# Altium PCB MU2_M.PcbDoc (part 2 of 2) (continued)
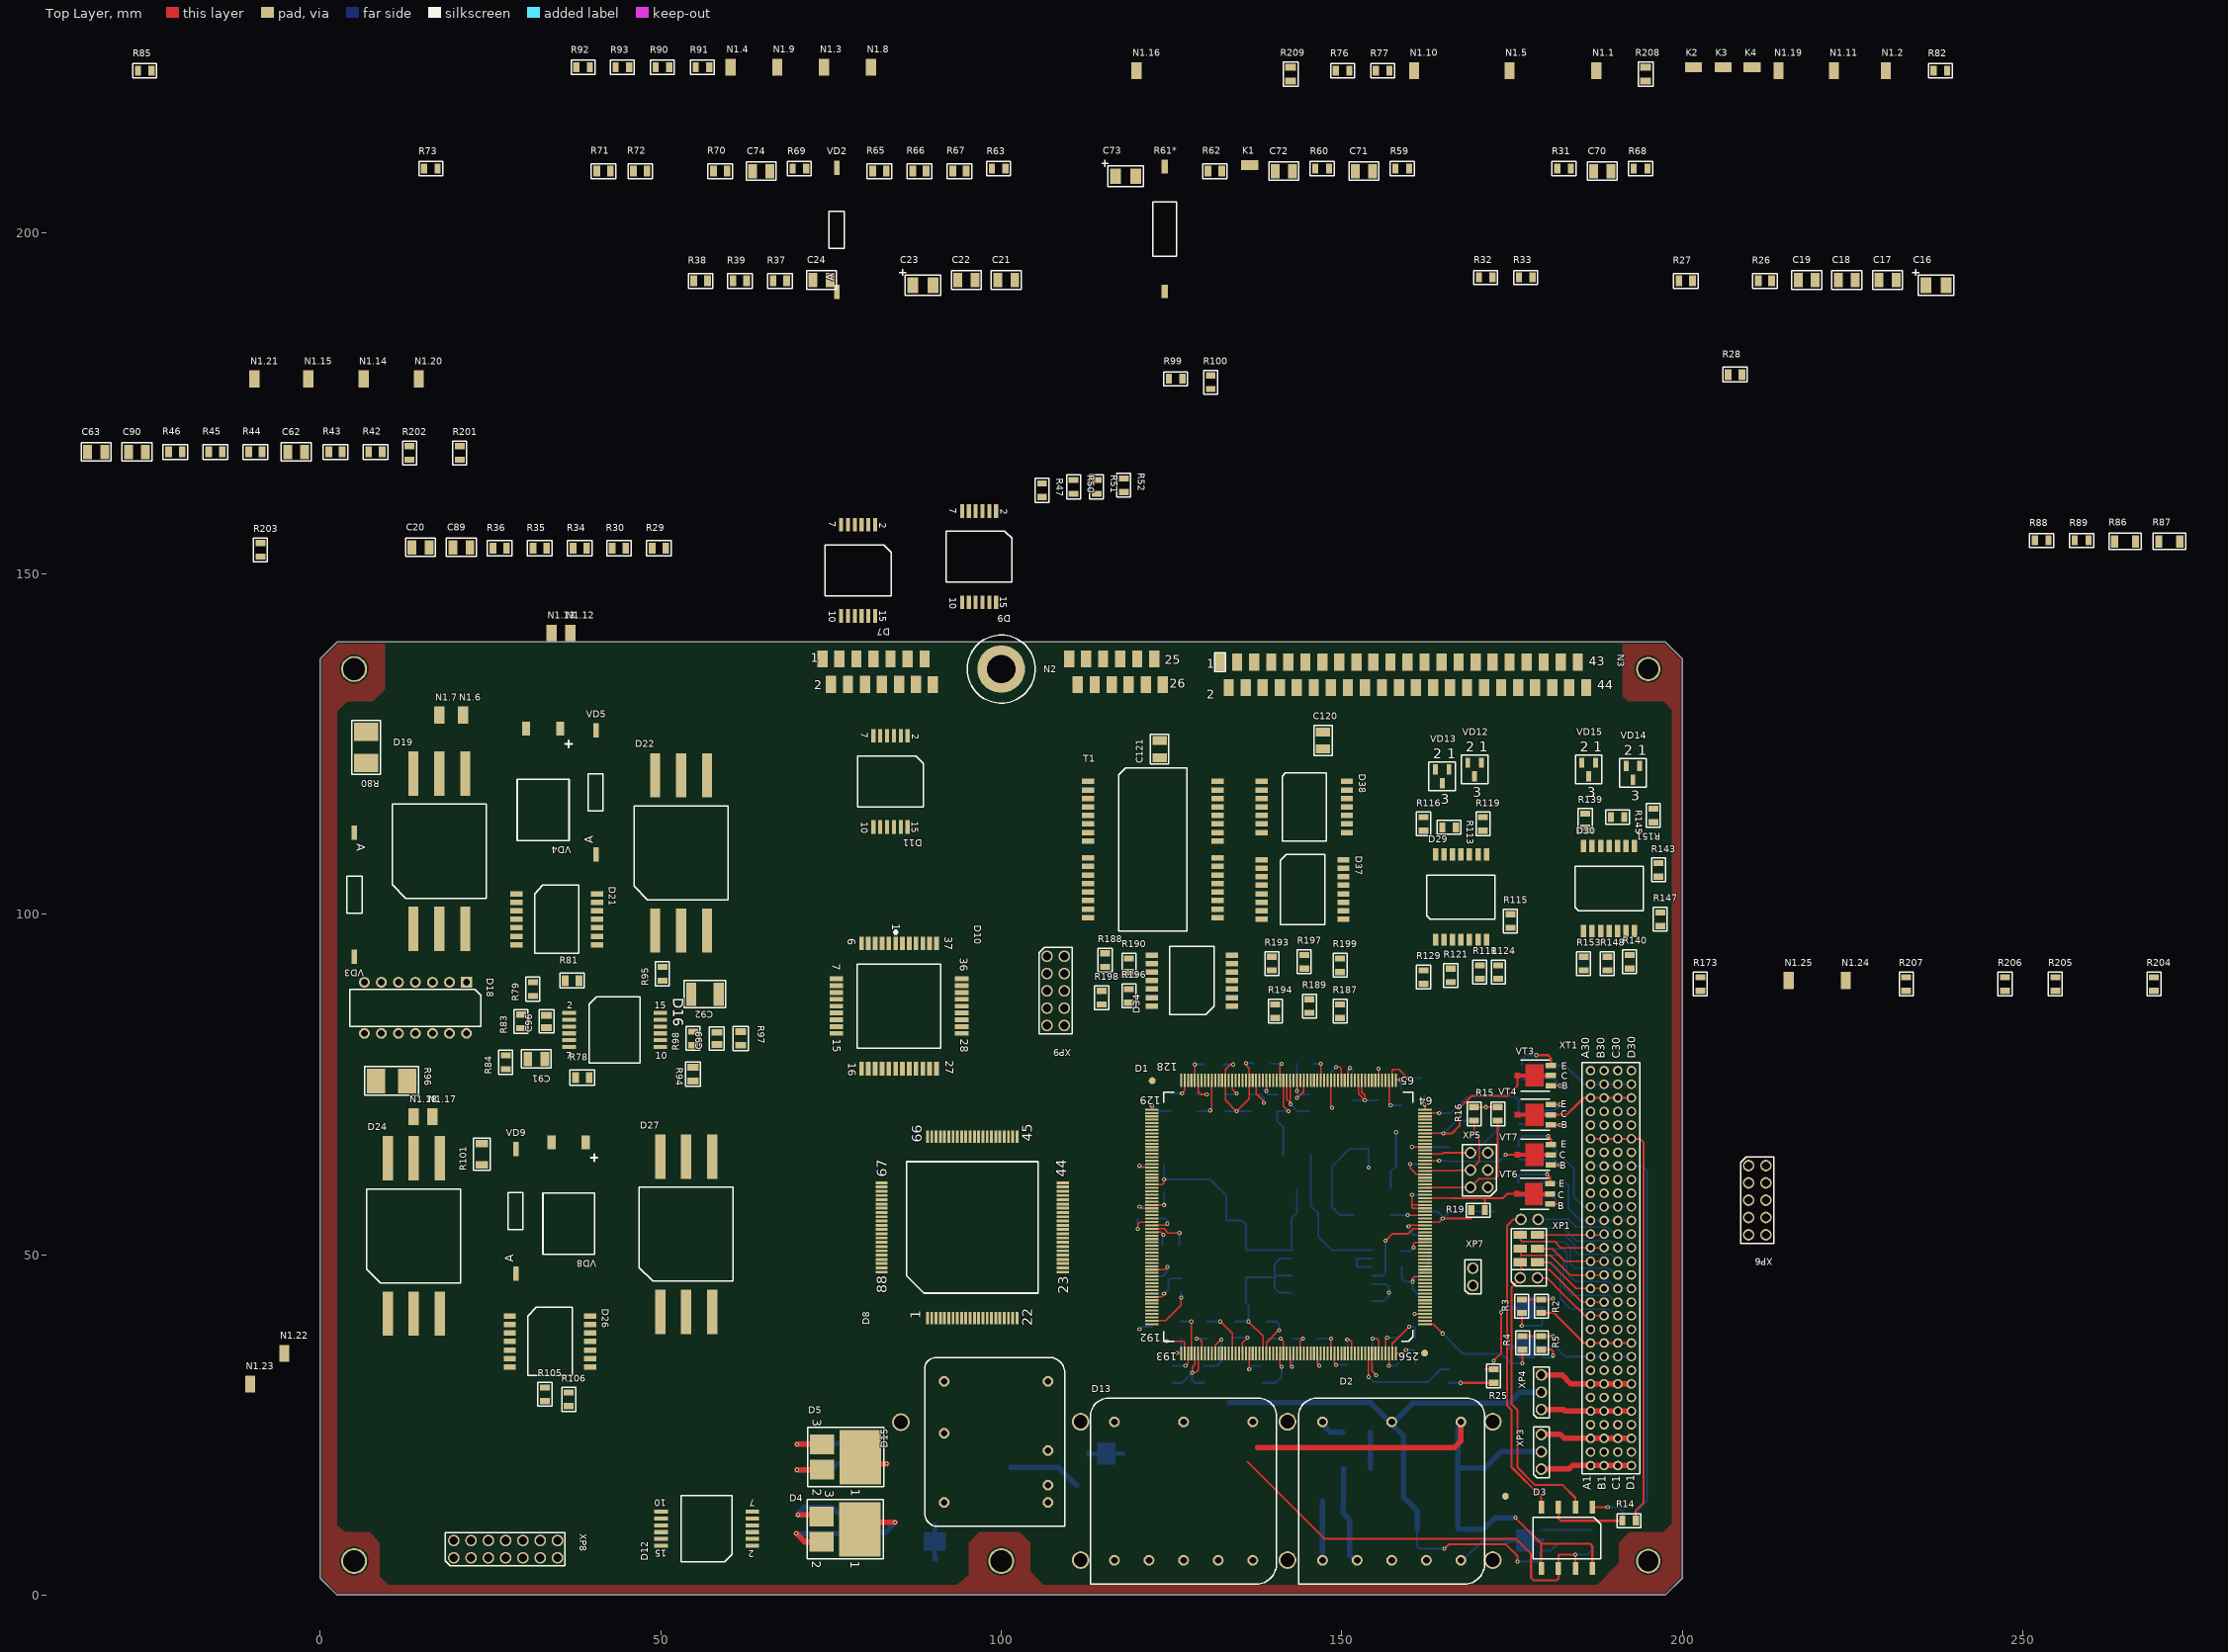
[diagram p0: Top Layer view]
## Nets (pads, with @x,y where several pads share a name; then routed paths per layer and width w, separated by ;. In a path a pad name is that pad's centre, name@x,y a point inside that pad or via, vN(x,y) a via of type N, cw(c..) or ccw(c..) an arc to the next point about the centre after c; other vN are vias at no path point) (continued)
  Top Layer w0.3: 157.425,37.05 157.55,37.05 v1(159.925,39.425) ; D1.256@157.925,35.5 158.925,35.5 v1(159.425,36) ; v1(160.425,46.05) 160.425,46.55 ; v1(162.175,72.05) 162.225,72 D1.64@162.225,71.3 ; v1(176.425,39.55) R3.1@176.425,41.425 ; v1(178.55,79.3) 180.3,79.3 180.705,78.895 VT3.E@180.705,77.8 ; R5.2@179.3,36.05 180.8,36.05 181.05,35.8 v1(181.05,35.175) ; v1(180.175,61.8) 180.58,61.395 VT6.E@180.58,60.425 ; v1(180.3,67.425) 180.705,67.02 VT7.E@180.705,66.175 ; VT4.E@180.705,72.05 v1(182.05,72.05)
  Top Layer w0.5: D4.3@73.35,11.8 D4.3@73.625,11.525 ; D5.3@73.625,22.05 D5.3@73.7,22.125
  Top Layer w0.8: v1(70.025,22.15) 73.525,22.15 D5.3@73.625,22.05 ; v1(70.175,11.8) D4.3@73.35,11.8
  Bottom Layer w0.2: C45.1@148.425,72.675 148.425,71.55 148.55,71.425 v1(148.55,71.55)
  Bottom Layer w0.3: v1(120.05,53.8) C33.1@120.05,55.3 ; v1(120.3,63.05) C49.1@121.425,63.05 ; C51.1@122.05,46.8 123.675,46.8 124.425,47.55 v1(124.425,48.175) ; v1(122.125,71.85) 122.175,71.9 123.025,71.05 124.8,71.05 C58.1@124.925,71.175 ; v1(123.925,57.3) C50.1@123.925,59.175 ; C60.1@125.175,31.175 126.55,31.175 v1(128.05,32.675) 128.05,31.55 128.425,31.175 C36.1@129.8,31.175 ; C34.1@126.175,51.425 v1(126.175,53.175) ; C59.1@126.425,40.175 v1(127.925,40.175) ; C32.1@128.8,71.05 130.55,71.05 v1(130.675,71.175) ; C35.1@130.3,40.175 v1(132.175,40.175) ; C48.1@132.675,77.925 v1(134.05,77.925) ; C31.1@132.8,71.05 v1(134.55,71.05) C30.1@136.675,71.05 ; C37.1@134.425,40.175 v1(136.3,40.175) 136.3,42.55 135.925,42.925 135.925,46.675 140.175,46.675 ; v1(135.926,78.099) 135.926,78.176 136.923,78.176 C46.1@137.049,78.05 ; C52.1@138.425,31.175 140.3,31.175 141.175,32.05 v1(141.175,33.55) ; C38.1@139.05,40.175 140.425,40.175 140.8,39.8 v1(140.8,38.925) ; C14.1@141.425,64.675 141.425,68.675 140.55,69.55 C47.1@140.55,71.05 v1(142.175,71.05) ; v1(142.487,72.112) 143.55,71.05 C28.1@145.175,71.05 ; D6.9@142.65,44.425 140.8,44.425 140.175,45.05 140.175,46.675 ; D6.11@142.65,46.925 140.175,46.925 ; D6.13@142.65,49.425 140.925,49.425 140.175,48.675 140.175,46.925 ; C53.1@142.8,37.675 v1(144.3,37.675) ; C29.1@145.925,78.05 146.8,78.05 146.925,77.925 v1(146.925,78.05) ; C54.1@146.425,37.675 v1(148.425,37.675) ; v1(149.176,33.8) C39.1@150.8,33.8 ; C27.1@151.675,72.675 C26.1@155.3,72.675 ; D6.7@154.45,43.175 156.175,43.175 156.925,43.925 v1(156.925,44.425) 156.925,45.3 156.55,45.675 D6.5@154.45,45.675 ; C40.1@154.55,33.8 154.55,32.8 v1(155.05,32.3) ; G1.2@157.175,59.8 157.175,62.175 157.975,62.975 C15.1@157.975,65.55 v1(157.975,67.975) v1@158.077,67.975 ; C42.1@158.8,48.175 158.8,46.55 159.3,46.05 v1(160.425,46.05) ; v1(159.425,36) 160.475,36 160.8,35.675 C55.1@160.8,34.05 ; v1(159.925,39.425) 160.55,39.425 160.8,39.175 C61.1@160.8,37.8 ; v1(160.05,63.3) C44.1@162.3,63.3 ; v1(160.3,58.8) C43.1@162.8,58.8 ; v1(162.175,72.05) C56.1@162.175,73.3 ; C25.1@162.8,50.425 162.8,48.425 v1(160.425,46.05) ; C41.1@162.925,43.8 161.55,43.8 160.425,44.925 v1(160.425,46.05) ; R21.1@175.925,60.55 175.925,61.55 176.175,61.8 v1(180.175,61.8) ; R24.1@175.925,65.925 175.925,66.8 176.55,67.425 v1(180.3,67.425) ; v1(176.425,39.55) 179.175,39.55 179.455,39.83 VT1.E@179.455,40.675 ; R8.1@176.425,77.8 176.425,78.675 177.05,79.3 v1(178.55,79.3) ; R10.2@179.05,71.175 181.175,71.175 v1(182.05,72.05) ; VT2.E@179.455,34.925 180.8,34.925 v1(181.05,35.175) ; 140.175,46.675 140.175,46.925
  Bottom Layer w0.75: v1(70.025,22.15) 70.15,22.275 C10.minus@77.4,22.275 C12.minus@81.275,22.275 C12.minus@81.3,22.3 ; v1(70.175,11.8) 70.175,12.05 71.025,12.9 75.15,12.9 76.025,12.025 77.65,12.025 C9.minus@81.15,12.025
  Bottom Layer w0.8: C5.2@150.25,18.55 150.25,13.875 C3.minus@150.175,13.8 150.175,12.05 151.175,11.05 C4.1@151.175,9.05 151.175,5.88 152.097,4.958 D2.2@152.255,4.8
INH_ON: D3.6 D3.7 R12.1 R40.2 R75.1 | length 66.5
  Top Layer w0.3: 136.175,19.55 147.425,8.3 175.55,8.3 177.8,6.05 177.8,2.55 178.175,2.175 181.55,2.175 181.8,2.425 D3.6@181.8,3.925 181.8,5.8 181.925,5.925 v1(184.3,5.925) D3.7@184.3,3.925
  Bottom Layer w0.3: v1(184.3,5.925) 186.05,5.925 186.675,6.55 R12.1@186.675,7.55
IZ12: D1.73 D17.11 R77.1
IZ34: D1.74 D17.4 R93.1
M12V: C69.1 C91.1 C94.2 C124.minus D15.6 D16.6 D18.12
M27V: D22.4 D23.4 D27.4 D28.4 N1.5.1 N1.10.1 N1.16.1 N2.16 N2.17 N2.19 N2.21 N2.23 N2.25
MISO: D1.244 D8.23
MOSI: D1.242 D8.21
NetC5_1: C5.1 C6.2 | length 5.4
  Bottom Layer w0.3: C5.1@154.225,18.675 C5.1@154.35,18.55
  Bottom Layer w0.8: C5.1@154.225,18.675 C6.2@154.225,23.925
NetC14_2: C14.2 D6.1 R18.1 VD1.Plus | length 21.2
  Bottom Layer w0.3: C14.2@145.425,64.675 145.425,57.175 146.55,56.05 VD1.Plus@146.55,55.05 146.55,52.675 148.55,50.675 D6.1@154.45,50.675
NetC18_1: C18.1 D7.12 R26.1 R27.2 R29.2
NetC18_2: C18.2 D7.13 R26.2 R28.2
NetC19_1: C19.1 D7.4 N2.7 N2.8 R30.1
NetC19_2: C19.2 D7.3 N2.13
NetC21_1: C21.1 D9.12 R37.1 R38.2 R42.2
NetC21_2: C21.2 D9.13 R37.2 R39.2
NetC24_1: C24.1 D9.4 N2.4 N2.5 R43.1
NetC24_2: C24.2 D9.3 N2.2
NetC64_1: C64.1 D11.12 R48.1 R49.2 R54.2
NetC64_2: C64.2 D11.13 R48.2 R53.2
NetC66_1: C66.1 D11.4 N2.9 N2.10 R55.1
NetC66_2: C66.2 D11.3 N2.11
NetC71_1: C71.1 D12.4 R61*.2 R62.1
NetC71_2: C71.2 D12.3 R62.2 R65.2 R70.2
NetC95_2: C95.2 D18.4 R79.2
NetC96_1: C96.1 D16.4 R81.2 R83.1
NetC96_2: C96.2 D16.3 R79.1 R83.2
NetC97_2: C97.2 R82.1 R208.2 VD3.C
NetC98_2: C98.2 D18.6 R95.2
NetC99_1: C99.1 D16.12 R97.2 R98.1
NetC99_2: C99.2 D16.13 R95.1 R98.2
NetC102_2: C102.2 R115.2 R116.1
NetC106_2: C106.2 R131.2 R132.1
NetC110_2: C110.2 R147.2 R148.1
NetC114_2: C114.2 R163.2 R164.1
NetD1_65: D1.65 XP6.1
NetD1_68: D1.68 XP6.3
NetD1_125: D1.125 XP6.5
NetD1_126: D1.126 R173.2 | length 0.9
  Top Layer w0.2: D1.126@127.425,75.6 127.425,74.816 D1.126@127.472,74.769
NetD1_191: D1.191 R170.1 | length 7.2
  Top Layer w0.2: D1.191@122.125,40.3 124.175,40.3 126.425,42.55 v1(126.426,43.675) v1(126.426,43.675)
  Bottom Layer w0.3: R170.1@126.425,44.55 v1(126.426,43.675) v1(126.426,43.675)
NetD1_194: D1.194 R171.1 | length 6.6
  Top Layer w0.2: v1(124.3,37.3) 126.925,37.3 D1.194@126.925,35.5
  Bottom Layer w0.2: R171.1@122.175,37.425 122.3,37.3 v1(124.3,37.3)
NetD1_248: D1.248 R172.1 | length 16.4
  Top Layer w0.2: v1(153.925,32.05) D1.248@153.925,35.5
  Bottom Layer w0.3: v1(153.925,32.05) 154.675,31.3 162.675,31.3 164.55,33.175 R172.1@165.8,33.175
NetD1_252: D1.252 XP6.9
NetD2_5: D2.5 VT5.C | length 13.2
  Bottom Layer w0.3: D2.5@167.495,4.8 167.652,4.957 170.745,8.05 VT5.C@179.33,8.05
NetD3_1: D3.1 R13.1 | length 6.4
  Top Layer w0.3: D3.1@186.8,12.925 v1(189.05,12.925)
  Bottom Layer w0.3: v1(189.05,12.925) 190.55,12.925 191.175,12.3 R13.1@191.175,10.55
NetD3_2: D3.2 XP1.1 | length 40.5
  Top Layer w0.3: XP1.1@176.2,46.6 176.3,46.55 174.925,45.175 174.925,28.05 175.8,27.175 175.8,18.774 178.399,16.175 182.425,16.175 184.3,14.3 D3.2@184.3,12.925
NetD3_3: D3.3 R14.1 | length 11.2
  Top Layer w0.3: D3.3@181.8,12.925 181.8,11.3 182.175,10.925 R14.1@191.175,10.925
NetD3_4: D3.4 XP2.1 | length 45.8
  Top Layer w0.3: XP2.1@176.3,55.175 175.175,55.175 174.3,54.3 174.3,27.8 174.925,27.175 174.925,18.8 179.3,14.425 D3.4@179.3,12.925
NetD6_2: D6.2 D6.3 | length 5.7
  Bottom Layer w0.3: D6.3@154.45,48.175 152.3,48.175 152.175,48.3 152.175,49.3 152.3,49.425 D6.2@154.45,49.425
NetD7_11: D7.11 R34.2 R36.1
NetD8_1: D8.1 R68.2
NetD8_4: D8.4 R31.1
NetD8_10: D8.10 R65.1 R66.2
NetD8_28: D8.28 R73.2
NetD8_38: D8.38 R69.1
NetD8_43: D8.43 R63.1
NetD9_11: D9.11 R44.2 R46.1
NetD10_5: D10.5 R52.2 XP9.5
NetD10_32: D10.32 R50.2 XP9.9
NetD10_38: D10.38 R51.2 XP9.7
NetD10_39: D10.39 R47.2
NetD10_41: D10.41 R203.2
NetD11_11: D11.11 R56.2 R58.1
NetD12_5: D12.5 R70.1 VD2.C
NetD12_12: D12.12 R71.1 R72.2
NetD13_5: D13.5 VT9.C
NetD15_7: D15.7 VT8.C
NetD16_5: D16.5 R78.2
NetD16_11: D16.11 R94.2
NetD17_2: D17.2 R76.1
NetD17_3: D17.3 D18.2
NetD17_9: D17.9 R92.1
NetD17_10: D17.10 D18.1
NetD19_2: D19.2 R84.2
NetD19_5: D19.5 N1.6.1 N1.7.1 R86.2 VD4.minus
NetD19_6: D19.6 D20.6 R80.1 R81.1
NetD20_2: D20.2 R85.2
NetD20_5: D20.5 N1.12.1 N1.13.1 R87.2 VD6.minus
NetD21_2: D21.2 VD5.A
NetD21_3: D21.3 D22.5 N1.3.1 N1.4.1 VD4.plus
NetD21_9: D21.9 VD7.A
NetD21_10: D21.10 D23.5 N1.8.1 N1.9.1 VD6.plus
NetD22_2: D22.2 R90.2
NetD23_2: D23.2 R91.2
NetD24_2: D24.2 R99.2
NetD24_5: D24.5 N1.17.1 N1.18.1 R101.2 VD8.minus
NetD24_6: D24.6 D25.6 R96.1 R97.1
NetD25_2: D25.2 R100.2
NetD25_5: D25.5 N1.22.1 N1.23.1 R102.2 VD10.minus
NetD26_2: D26.2 VD9.A
NetD26_3: D26.3 D27.5 N1.14.1 N1.15.1 VD8.plus
NetD26_9: D26.9 VD11.A
NetD26_10: D26.10 D28.5 N1.20.1 N1.21.1 VD10.plus
NetD27_2: D27.2 R105.2
NetD28_2: D28.2 R106.2
NetD29_2: D29.2 R111.1 R116.2 VD12.3
NetD29_3: D29.3 D29.13 R121.2
NetD29_5: D29.5 R127.1 R132.2 VD13.3
NetD29_6: D29.6 D29.10 R137.2
NetD29_9: D29.9 R129.2 R135.2
NetD29_11: D29.11 R123.1 R129.1
NetD29_12: D29.12 R113.2 R119.2
NetD29_14: D29.14 R107.1 R113.1
NetD30_2: D30.2 R143.1 R148.2 VD14.3
NetD30_3: D30.3 D30.13 R153.2
NetD30_5: D30.5 R159.1 R164.2 VD15.3
NetD30_6: D30.6 D30.10 R169.2
NetD30_9: D30.9 R161.2 R167.2
NetD30_11: D30.11 R155.1 R161.1
NetD30_12: D30.12 R145.2 R151.2
NetD30_14: D30.14 R139.1 R145.1
NetD34_3: D34.3 R196.2
NetD34_10: D34.10 R194.2
NetD35_1: D35.1 D35.2 T1.32
NetD35_3: D35.3 D35.4 T1.28
NetD35_5: D35.5 D35.6 T1.24
NetD35_12: D35.12 D35.14 D35.16 R192.1 T1.1 T1.5 T1.9
NetD36_2: D36.2 T1.2
NetD36_3: D36.3 N2.18 T1.27
NetD36_4: D36.4 R198.1
NetD36_5: D36.5 T1.10
NetD36_10: D36.10 N2.15 T1.23
NetD36_11: D36.11 R200.1
NetD36_12: D36.12 T1.6
NetD36_13: D36.13 N2.20 T1.31
NetD36_14: D36.14 R195.1
NetD37_1: D37.1 D37.2 T2.32
NetD37_3: D37.3 D37.4 T2.28
NetD37_5: D37.5 D37.6 T2.24
NetD37_12: D37.12 D37.14 D37.16 R191.1 T2.1 T2.5 T2.9
NetD38_2: D38.2 T2.2
NetD38_3: D38.3 N2.24 T2.27
NetD38_4: D38.4 R197.1
NetD38_5: D38.5 T2.10
NetD38_10: D38.10 N2.22 T2.23
NetD38_11: D38.11 R199.1
NetD38_12: D38.12 T2.6
NetD38_13: D38.13 N2.26 T2.31
NetD38_14: D38.14 R193.1
NetN1.24_1: N1.24.1 R207.1
NetN2_3: N2.3 R44.1
NetN2_6: N2.6 R205.1
NetN2_12: N2.12 R56.1
NetN2_14: N2.14 R34.1
NetN3_1: N3.1 N3.2 R115.1
NetN3_5: N3.5 N3.6 R163.1
NetN3_9: N3.9 N3.10 R147.1
NetN3_13: N3.13 N3.14 R131.1
NetN3_42: N3.42 R206.1
NetN3_44: N3.44 R204.1
NetR2_1: R2.1 XT1.10 XT1.40 XT1.70 XT1.100 | length 15
  Top Layer w0.3: R2.1@179.3,41.425 181.175,41.425 183.325,39.275 185.575,37.025 XT1.10@186.525,37.025 XT1.40@188.525,37.025 XT1.70@190.525,37.025 XT1.100@192.525,37.025
NetR2_2: R2.2 R3.2 VT1.B | length 6.3
  Top Layer w0.3: R3.2@176.425,43.425 R2.2@179.3,43.425 180.925,43.425 v1(181.05,43.55)
  Bottom Layer w0.3: VT1.B@179.455,43.675 180.925,43.675 v1(181.05,43.55)
NetR4_1: R4.1 R5.1 VT2.B | length 6.1
  Top Layer w0.3: R4.1@176.55,38.05 R5.1@179.3,38.05 v1(181.05,38.05)
  Bottom Layer w0.3: VT2.B@179.455,37.925 180.925,37.925 v1(181.05,38.05)
NetR7_1: R7.1 XT1.29 XT1.59 XT1.89 XT1.119 | length 14.4
  Bottom Layer w0.3: R7.1@179.225,77.8 182.8,77.8 184.95,75.65 185.575,75.025 XT1.29@186.525,75.025 XT1.59@188.525,75.025 XT1.89@190.525,75.025 XT1.119@192.525,75.025
NetR7_2: R7.2 R8.2 VT3.B | length 7.4
  Top Layer w0.2: VT3.B@180.705,74.8 v1(182.05,74.8)
  Bottom Layer w0.2: R7.2@179.225,75.8 181.05,75.8 v1(182.05,74.8)
  Bottom Layer w0.3: R8.2@176.425,75.8 R7.2@179.225,75.8
NetR9_1: R9.1 R10.1 VT4.B | length 7.7
  Top Layer w0.3: VT4.B@180.705,69.05 180.83,69.175 180.955,69.05 v1(182.05,69.05)
  Bottom Layer w0.3: R9.1@175.925,69.05 175.962,69.087 176.05,69.175 R10.1@179.05,69.175 181.925,69.175 v1(182.05,69.05)
NetR11_2: R11.2 R12.2 VT5.B | length 7.3
  Bottom Layer w0.3: VT5.B@179.33,9.55 R11.2@183.55,9.55 R12.2@186.675,9.55
NetR20_1: R20.1 XT1.19 XT1.49 XT1.79 XT1.109 | length 17.7
  Bottom Layer w0.3: R20.1@179.05,60.55 182.8,60.55 183.3,60.05 183.3,56.8 185.075,55.025 XT1.19@186.525,55.025 XT1.49@188.525,55.025 XT1.79@190.525,55.025 XT1.109@192.525,55.025
NetR20_2: R20.2 R21.2 VT6.B | length 8.1
  Top Layer w0.3: VT6.B@180.58,57.425 v1(182.05,57.425)
  Bottom Layer w0.3: R21.2@175.925,58.55 R20.2@179.05,58.55 180.925,58.55 v1(182.05,57.425)
NetR23_1: R23.1 XT1.20 XT1.50 XT1.80 XT1.110 | length 19.6
  Bottom Layer w0.3: R23.1@179.05,65.925 180.8,65.925 184.05,62.675 184.05,58.55 185.575,57.025 XT1.20@186.525,57.025 XT1.50@188.525,57.025 XT1.80@190.525,57.025 XT1.110@192.525,57.025
NetR23_2: R23.2 R24.2 VT7.B | length 7.8
  Top Layer w0.3: VT7.B@180.705,63.175 v1(182.05,63.175)
  Bottom Layer w0.3: R24.2@175.925,63.925 R23.2@179.05,63.925 181.3,63.925 v1(182.05,63.175)
NetR40_1: R40.1 R41.2 VT8.B
NetR74_1: R74.1 R75.2 VT9.B
NetR86_1: R86.1 VD5.C
NetR87_1: R87.1 VD7.C
NetR101_1: R101.1 VD9.C
NetR102_1: R102.1 VD11.C
NetR189_1: R189.1 R193.2 R194.1 R197.2 R199.2
NetR190_1: R190.1 R195.2 R196.1 R198.2 R200.2
NetVT2_C: VT2.C XT1.9 XT1.39 XT1.69 XT1.99 | length 13.6
  Bottom Layer w0.3: VT2.C@179.455,36.425 181.425,36.425 182.825,35.025 XT1.9@186.525,35.025 XT1.39@188.525,35.025 XT1.69@190.525,35.025 XT1.99@192.525,35.025
NetVT4_C: VT4.C XT1.28 XT1.58 XT1.88 XT1.118 | length 12.8
  Top Layer w0.3: VT4.C@180.705,70.55 183.05,70.55 184.587,72.087 185.525,73.025 XT1.28@186.525,73.025 XT1.58@188.525,73.025 XT1.88@190.525,73.025 XT1.118@192.525,73.025
NetXP1_2: XP1.2 XT1.12 XT1.42 | length 12.1
  Top Layer w0.2: XP1.2@178.74,46.6 178.84,46.55 180.175,46.55 182.175,44.55 183.275,43.45 185.7,41.025 XT1.12@186.525,41.025 XT1.42@188.525,41.025
NetXP1_3: XP1.3 XT1.13 XT1.43 | length 15.1
  Top Layer w0.2: XP1.3@176.2,48.9 176.3,48.85 176.3,48.175 176.675,47.8 180.5,47.8 182.675,45.625 185.275,43.025 XT1.13@186.525,43.025 XT1.43@188.525,43.025
NetXP1_4: XP1.4 XT1.14 XT1.44 | length 11.4
  Top Layer w0.254: XP1.4@178.75,48.9 178.75,48.85 180.55,48.85 184.375,45.025 XT1.14@186.525,45.025 XT1.44@188.525,45.025
NetXP1_5: XP1.5 XT1.15 XT1.45 | length 14.5
  Top Layer w0.2: XP1.5@176.2,50.9 176.3,50.85 176.3,49.9 180.625,49.9 181.375,49.15 183.5,47.025 XT1.15@186.525,47.025 XT1.45@188.525,47.025
NetXP1_6: XP1.6 XT1.16 XT1.46 | length 10.5
  Top Layer w0.2: XP1.6@178.75,50.9 178.85,50.85 180.925,50.85 182.75,49.025 XT1.16@186.525,49.025 XT1.46@188.525,49.025
NetXP1_7: XP1.7 XT1.17 XT1.47 | length 13.5
  Top Layer w0.2: XP1.7@176.2,52.9 176.2,52.225 176.525,51.9 181.275,51.9 182.15,51.025 XT1.17@186.525,51.025 XT1.47@188.525,51.025
NetXP1_8: XP1.8 XT1.18 XT1.48 | length 9.8
  Top Layer w0.2: XP1.8@178.75,52.9 188.4,52.9 XT1.48@188.525,53.025
NetXP2_2: XP2.2 XT1.78 XT1.108 | length 14.6
  Bottom Layer w0.2: XP2.2@178.84,55.175 183.275,55.175 184.425,54.025 189.081,54.025 190.081,53.025 XT1.78@190.525,53.025 XT1.108@192.525,53.025
NetXP2_3: XP2.3 XT1.77 XT1.107 | length 18.2
  Bottom Layer w0.2: XP2.3@176.3,52.875 176.3,53.55 176.625,53.875 182.6,53.875 184.45,52.025 189.4,52.025 190.4,51.025 XT1.77@190.525,51.025 XT1.107@192.525,51.025
NetXP2_4: XP2.4 XT1.76 XT1.106 | length 15.7
  Bottom Layer w0.2: XP2.4@178.85,52.875 182.75,52.875 184.175,51.45 184.175,50.65 184.8,50.025 189.525,50.025 XT1.76@190.525,49.025 XT1.106@192.525,49.025
NetXP2_5: XP2.5 XT1.75 XT1.105 | length 20.5
  Bottom Layer w0.2: XP2.5@176.3,50.875 176.3,51.675 176.5,51.875 182.725,51.875 183.55,51.05 183.55,48.675 184.2,48.025 189.275,48.025 190.275,47.025 XT1.75@190.525,47.025 XT1.105@192.525,47.025
NetXP2_6: XP2.6 XT1.74 XT1.104 | length 17.9
  Bottom Layer w0.2: XP2.6@178.85,50.875 182.475,50.875 183.05,50.3 183.05,47.275 184.3,46.025 188.939,46.025 189.275,46.025 190.275,45.025 XT1.74@190.525,45.025 XT1.104@192.525,45.025
NetXP2_7: XP2.7 XT1.73 XT1.103 | length 22.3
  Bottom Layer w0.2: XP2.7@176.3,48.875 176.3,49.675 176.5,49.875 181.975,49.875 182.55,49.3 182.55,45.3 183.825,44.025 188.939,44.025 189.275,44.025 190.275,43.025 XT1.73@190.525,43.025 XT1.103@192.525,43.025
NetXP2_8: XP2.8 XT1.72 XT1.102 | length 19.3
  Bottom Layer w0.2: XP2.8@178.85,48.875 180.775,48.875 182.05,47.6 182.05,43.6 183.625,42.025 189.275,42.025 190.275,41.025 XT1.72@190.525,41.025 XT1.102@192.525,41.025
NetXP3_1: XP3.1 XT1.1 XT1.31 XT1.61 XT1.91 | length 13.4
  Top Layer w0.8: XP3.1@179.3,18.51 183.36,18.51 183.875,19.025 XT1.1@186.525,19.025 XT1.31@188.525,19.025 XT1.61@190.525,19.025 XT1.91@192.525,19.025
NetXP3_3: XP3.3 XT1.3 XT1.33 XT1.63 XT1.93 | length 13.5
  Top Layer w0.8: XP3.3@179.3,23.59 182.11,23.59 182.675,23.025 XT1.3@186.525,23.025 XT1.33@188.525,23.025 XT1.63@190.525,23.025 XT1.93@192.525,23.025
NetXP4_1: XP4.1 XT1.5 XT1.35 XT1.65 XT1.95 | length 13.3
  Top Layer w0.8: XP4.1@179.3,27.26 182.54,27.26 182.775,27.025 XT1.5@186.525,27.025 XT1.35@188.525,27.025 XT1.65@190.525,27.025 XT1.95@192.525,27.025
NetXP4_3: XP4.3 XT1.7 XT1.37 XT1.67 XT1.97 | length 13.8
  Top Layer w0.8: XP4.3@179.3,32.34 182.335,32.34 183.65,31.025 XT1.7@186.525,31.025 XT1.37@188.525,31.025 XT1.67@190.525,31.025 XT1.97@192.525,31.025
OFFSET: D12.13 R29.1 R42.1 R54.1 R72.1
P12V: C68.2 C92.2 C93.1 C123.plus D15.3 D16.14 D18.3 R76.2 R82.2 R92.2
P27V: C68.1 C69.2 C91.2 C92.1 C93.2 C94.1 C95.1 C97.1 C98.1 C123.minus C124.plus D15.4 D34.2 D34.9 N1.2.1 N1.11.1 N1.19.1 R78.1 R80.2 R94.1 R96.2 R189.2 R190.2 R209.1 VD3.A
POROG: D18.5 D18.7 R208.1 R209.2
RESET: D1.29 D6.4 | length 13.4
  Top Layer w0.2: 160.425,53.8 D1.29@162.225,53.8
  Top Layer w0.3: v1(156.425,52.05) 157.425,53.05 159.736,53.05 160.436,53.75
  Bottom Layer w0.3: D6.4@154.45,46.925 156.05,46.925 156.425,47.3 v1(156.425,52.05)
RX1: D1.3 R1.2 VT1.C | length 15.3
  Top Layer w0.3: v1(172.3,34.425) 173.425,35.55 v1(173.425,41.55)
  Bottom Layer w0.2: v1@173.365,41.49 v1(173.425,41.55)
  Bottom Layer w0.3: R1.2@172.3,33.175 v1(172.3,34.425) ; v1(173.425,41.55) 173.425,41.675 173.925,42.175 VT1.C@179.455,42.175
RX2: D1.7 R6.2 VT3.C | length 0
  Top Layer w0.2: D1.7@162.225,42.8 D1.7@162.245,42.78
SCK: D1.245 D8.24
SENS1: D1.26 D29.4 R108.1 R111.2
SENS2: D1.27 D29.7 R124.1 R127.2
SENS3: D1.28 D30.4 R140.1 R143.2
SENS4: D1.38 D30.7 R156.1 R159.2
TICK: D1.240 D8.37
TS1: D8.80 R28.1 R35.2
TS2: D8.82 R39.1 R45.2
TS3: D8.6 R53.1 R57.2
TST1: D1.234 D8.29
TST2: D1.235 D8.31
TST3: D1.236 D8.32
TST4: D1.239 D8.36
TSTI1: D1.46 D35.15
TSTI2: D1.47 D35.13
TSTI3: D1.48 D35.11
TSTI4: D1.49 D37.15
TSTI5: D1.50 D37.13
TSTI6: D1.51 D37.11
TSTO1: D1.52 D34.11 R188.1
TSTO2: D1.54 D34.4 R187.1
TX1: D1.1 R4.2 | length 18.7
  Top Layer w0.2: D1.1@162.225,39.8 163.425,39.8 v1(164.8,38.425)
  Top Layer w0.3: v1(176.55,34.05) R4.2@176.55,36.05
  Bottom Layer w0.3: v1(164.8,38.425) 167.8,35.425 173.425,35.425 174.8,34.05 v1(176.55,34.05)
TX2: D1.5 R9.2
UPR1: D1.17 R25.1 XP7.2 | length 1.3
  Top Layer w0.3: 171.05,33.175 R25.1@172.3,33.175
VREF: D7.5 D8.13 D9.5 D11.5 D12.11 K1.1 R66.1 R67.1
pads on no net: D1.0 D1.2 D1.6 D1.8 D1.9 D1.10 D1.11 D1.12 D1.13 D1.14 D1.16 D1.18 D1.19 D1.20 D1.21 D1.22 D1.32 D1.34 D1.37 D1.39 D1.40 D1.41 D1.42 D1.43 D1.44 D1.77 D1.78 D1.80 D1.82 D1.83 D1.85 D1.86 D1.88 D1.89 D1.90 D1.91 D1.93 D1.95 D1.100 D1.101 D1.102 D1.104 D1.105 D1.107 D1.109 D1.110 D1.111 D1.112 D1.114 D1.116 D1.117 D1.122 D1.128 D1.130 D1.131 D1.132 D1.133 D1.134 D1.135 D1.136 D1.137 D1.138 D1.139 D1.140 D1.141 D1.142 D1.143 D1.144 D1.145 D1.147 D1.148 D1.149 D1.150 D1.152 D1.153 D1.154 D1.155 D1.156 D1.159 D1.160 D1.161 D1.166 D1.167 D1.168 D1.169 D1.170 D1.171 D1.172 D1.173 D1.174 D1.175 D1.177 D1.178 D1.179 D1.180 D1.181 D1.182 D1.183 D1.185 D1.186 D1.187 D1.188 D1.189 D1.190 D1.192 D1.200 D1.201 D1.202 D1.204 D1.205 D1.206 D1.207 D1.209 D1.210 D1.212 D1.214 D1.215 D1.216 D1.219 D1.220 D1.221 D1.224 D1.226 D1.227 D1.229 D1.230 D1.231 D1.232 D2.3 D2.4 D6.6 D6.8 D6.10 D6.12 D7.2 D7.7 D7.10 D7.15 D8.2 D8.5 D8.7 D8.9 D8.14 D8.16 D8.17 D8.19 D8.20 D8.22 D8.25 D8.30 D8.35 D8.39 D8.41 D8.42 D8.44 D8.54 D8.64 D8.70 D8.72 D8.73 D8.79 D8.81 D8.83 D8.84 D8.85 D8.87 D8.88 D9.2 D9.7 D9.10 D9.15 D10.17 D10.20 D10.26 D10.27 D11.2 D11.7 D11.10 D11.15 D12.2 D12.7 D12.10 D12.15 D13.4 D15.5 D16.2 D16.7 D16.10 D16.15 D17.1 D17.5 D17.7 D17.8 D17.12 D17.14 D18.8 D18.9 D18.10 D18.11 D18.13 D18.14 D19.3 D19.4 D20.3 D20.4 D21.1 D21.5 D21.7 D21.8 D21.12 D21.14 D22.1 D22.6 D23.1 D23.6 D24.3 D24.4 D25.3 D25.4 D26.1 D26.5 D26.7 D26.8 D26.12 D26.14 D27.1 D27.6 D28.1 D28.6 D29.1 D29.8 D30.1 D30.8 D34.1 D34.5 D34.7 D34.8 D34.12 D34.14 D35.7 D35.8 D35.9 D35.10 D36.1 D36.6 D36.7 D36.8 D36.9 D37.7 D37.8 D37.9 D37.10 D38.1 D38.6 D38.7 D38.8 D38.9 G1.1 N2.1 N3.17 N3.18 N3.19 N3.20 N3.21 N3.22 N3.23 N3.24 N3.25 N3.26 N3.27 N3.28 N3.29 N3.30 N3.31 N3.32 N3.33 N3.34 N3.35 N3.36 N3.37 N3.38 N3.39 N3.40 N3.41 T1.3 T1.4 T1.7 T1.8 T1.11 T1.12 T1.13 T1.14 T1.15 T1.16 T1.17 T1.18 T1.19 T1.20 T1.21 T1.22 T1.25 T1.26 T1.29 T1.30 T2.3 T2.4 T2.7 T2.8 T2.11 T2.12 T2.13 T2.14 T2.15 T2.16 T2.17 T2.18 T2.19 T2.20 T2.21 T2.22 T2.25 T2.26 T2.29 T2.30 XP6.6 XP6.7 XP6.8 XP8.3 XP8.4 XP8.9 XT1.2 XT1.4 XT1.6 XT1.8 XT1.11 XT1.22 XT1.24 XT1.26 XT1.32 XT1.34 XT1.36 XT1.38 XT1.41 XT1.52 XT1.54 XT1.56 XT1.62 XT1.64 XT1.66 XT1.68 XT1.71 XT1.82 XT1.84 XT1.86 XT1.92 XT1.94 XT1.96 XT1.98 XT1.101 XT1.112 XT1.114 XT1.116
copper on no net: | length 135.5
  Top Layer w0.2: 122.125,64.753 122.125,64.8 ; 162.225,45.3 162.245,45.32 ; 162.225,58.3 166,58.3 ; 162.225,59.8 162.275,59.85 168.905,59.85 168.905,59.885 170.155,61.135 172.51,61.135 172.925,61.55 ; 162.225,62.3 166.675,62.3 166.8,62.425 168.905,62.425 170.195,63.715 170.195,67.28 169.425,68.05 169.425,69.675 ; 162.225,63.8 v1(164.3,63.8) ; 162.225,64.8 164.8,64.8 164.965,64.965 ; 162.225,67.8 v1(164.925,67.8) ; 162.225,70.75 162.453,70.75 162.503,70.8 v1(164.3,70.8)
  Top Layer w0.3: 158,75.675 v1(158.675,75.675) ; v1(164.925,67.8) 166.175,67.8 167.275,68.9 167.275,71.525 169.05,73.3 174.3,73.3 175.775,74.775 175.775,76.3 180.705,76.3 ; 164.965,64.965 168.905,64.965 ; 166,58.275 171.025,58.275 ; 171.025,56.525 171.025,58.275 ; 172.925,61.55 172.925,69.55 ; v1(174.05,64.675) 180.705,64.675 ; 180.58,58.925 174.275,58.925 173.625,58.275 171.025,58.275
  Bottom Layer w0.2: 165.675,63.8 165.8,63.675 173.05,63.675 v1(174.05,64.675) ; 165.925,70.8 166.04,70.8 168.415,73.175 175.425,73.175
  Bottom Layer w0.3: 158.675,74.425 v1(158.675,75.675) ; v1(164.3,63.8) 165.675,63.8 ; v1(164.3,70.8) 165.925,70.8 ; v1(164.925,67.8) 166.8,69.675 169.55,69.675 ; 168.905,64.965 169.465,64.965 173.05,68.55 173.05,69.675 ; 175.425,73.175 175.925,72.675 175.925,71.05

## Polygon pours and split planes (outlines as drawn)
no net on Top Layer "Top Layer-No Net" (solid, pour order 2): 9.5,140 2.5,140 0,137.5 0,2.5 2.5,0 197.5,0 200,2.5 200,137.5 197.5,140 191.25,140 191.25,132 192,131.25 197.25,131.25 198.5,130 198.5,10.5 197.25,9.25 192.25,9.25 190.75,7.75 190.75,4.75 187.5,1.5 106.25,1.5 104.25,3.5 104.25,7.75 102.75,9.25 96.75,9.25 95.25,7.75 95.25,3 93.5,1.5 10,1.5 8.75,2.75 8.75,7.75 7.25,9.25 3.75,9.25 2.5,10.25 2.5,129.75 4,131.25 7.75,131.25 9.5,133
no net on Bottom Layer "Bottom Layer-No Net 1" (solid, pour order 4): 200,131.25 200,137.5 197.5,140 2.5,140 0,137.5 0,131.25
no net on Bottom Layer "Bottom Layer-No Net" (solid, pour order 6): 2.75,129.75 4.25,131.25 4.25,131.75 0,131.75 0,2.5 2.5,0 197.5,0 200,2.5 200,132 195.25,132 195.25,131.25 196.75,129.75 196.75,10.75 195.25,9.25 192.25,9.25 190.75,7.75 190.75,4.75 189.25,3.25 157.75,3.25 104.5,3.25 104.25,3.5 104.25,7.75 102.75,9.25 96.75,9.25 96.5,9 95.25,7.75 95.25,5 93.75,3.25 10.25,3.25 8.75,4.75 8.75,7.75 7.25,9.25 3.75,9.25 2.75,10 2.75,35.5
no net on gnd (split plane): 199.49,137.289 199.49,2.711 197.289,0.51 2.711,0.51 0.51,2.711 0.51,137.289 2.711,139.49 197.289,139.49
no net on PITANIE (split plane): 199.49,137.289 199.49,2.711 197.289,0.51 2.711,0.51 0.51,2.711 0.51,137.289 2.711,139.49 197.289,139.49

## Keep-outs
Keep-Out Layer, Board:
  the board outline again, w0.127

## Silkscreen, mask and mechanical layers (free items; w line width, h text height)
Top Overlay, Top Silk:
  circle w0.2: c100,136 r5
Bottom Solder, Bot Mask:
  region: 2.5,140 0,137.5 0,131 200,131 200,137.5 197.5,140
  region: 196.75,129.75 196.75,10.75 195.25,9.25 192.25,9.25 190.75,7.75 190.75,4.75 189.25,3.25 104.5,3.25 104.25,3.5 104.25,7.75 102.75,9.25 96.75,9.25 95.25,7.75 95.25,5 93.75,3.25 10.25,3.25 8.75,4.75 8.75,7.75 7.25,9.25 3.75,9.25 2.75,10.25 2.75,34.25 2.75,129.75 4,131 0,131 0,2.5 2.5,0 197.5,0 200,2.5 200,131 195.5,131
Mechanical 3:
  lines w0.1: 1,5 9,5 ; 1,136 9,136 ; 5,1 5,9 ; 5,132 5,140 ; 96,5 104,5 ; 96,136 104,136 ; 100,1 100,9 ; 100,132 100,140 ; 191,5 199,5 ; 191,136 199,136 ; 195,1 195,9 ; 195,132 195,140

## Text inside footprints (layer, text, board x,y; h text height)
C1: Bottom Overlay, Bot Silk "+" at 170.144,11.823 h1; Mechanical 26 "+" at 169.285,11.31 h2
C85: Mechanical 26 "+" at 113.25,13.85 h2 r180
C88: Mechanical 26 "+" at 141.025,10.175 h2
C123: Mechanical 26 "+" at 100.35,39.5 h2 r90
C124: Mechanical 26 "+" at 101.6,30 h2 r90
D1: Top Overlay, Top Silk "192" at 123.415,38.767 h2 r180; Top Overlay, Top Silk "128" at 125.925,78.55 h2 r180; Top Overlay, Top Silk "65" at 160.666,76.547 h2 r180; Top Overlay, Top Silk "193" at 125.815,36.007 h2 r180; Top Overlay, Top Silk "129" at 123.435,73.647 h2 r180; Top Overlay, Top Silk "256" at 161.375,36.007 h2 r180; Top Overlay, Top Silk "64" at 163.316,73.597 h2 r180; Mechanical 25 "64" at 163.075,73.35 h2 r180; Mechanical 25 "256" at 161.675,36.407 h2 r180; Mechanical 25 "129" at 123.375,73.15 h2 r180; Mechanical 25 "193" at 126.115,36.407 h2 r180; Mechanical 25 "65" at 160.575,76.25 h2 r180; Mechanical 25 "128" at 125.875,76.05 h2 r180; Mechanical 25 "192" at 123.715,39.167 h2 r180
D2: Mechanical 25 "6" at 168.322,24.049 h2; Mechanical 25 "8" at 145.022,24.149 h2; Mechanical 25 "5" at 168.522,3.849 h2; Mechanical 25 "1" at 144.655,3.849 h2
D3: Mechanical 25 "8" at 186.3,6.175 h2 r270; Mechanical 25 "1" at 186.3,11.425 h2 r270; Mechanical 25 "4" at 178.8,11.675 h2 r270; Mechanical 25 "5" at 178.8,6.175 h2 r270
D4: Top Overlay, Top Silk "3" at 74.15,15.4 h1.31 r270; Top Overlay, Top Silk "2" at 72.275,5.05 h1.31 r270; Top Overlay, Top Silk "1" at 77.9,5.05 h1.31 r270; Mechanical 25 "1" at 79.6,5.05 h2 r270; Mechanical 25 "2" at 73.85,5.175 h2 r270; Mechanical 25 "3" at 73.025,14.4 h2 r270
D5: Top Overlay, Top Silk "3" at 72.325,25.875 h1.31 r270; Top Overlay, Top Silk "2" at 72.35,15.65 h1.31 r270; Top Overlay, Top Silk "1" at 77.975,15.65 h1.31 r270; Mechanical 25 "1" at 79.675,15.65 h2 r270; Mechanical 25 "2" at 73.025,16.4 h2 r270; Mechanical 25 "3" at 73.925,25.475 h2 r270
D6: Mechanical 26 "14" at 145.475,50.1 h2; Mechanical 26 "8" at 144.65,42.6 h2; Mechanical 26 "7" at 153.175,42.65 h2; Mechanical 26 "1" at 152.825,50.025 h2
D7: Top Overlay, Top Silk "2" at 82.15,157.5 h1 r270; Top Overlay, Top Silk "7" at 74.7,157.675 h1 r270; Top Overlay, Top Silk "15" at 82.1,144.65 h1 r270; Top Overlay, Top Silk "10" at 74.7,144.55 h1 r270; Mechanical 25 "15" at 80.775,146.8 h2 r270; Mechanical 25 "2" at 80.825,155.625 h2 r270; Mechanical 25 "7" at 75.925,155.675 h2 r270; Mechanical 25 "10" at 75.875,146.7 h2 r270
D8: Top Overlay, Top Silk "23" at 109.847,44.221 h1.5 r90; Top Overlay, Top Silk "88" at 83.177,44.348 h1.5 r90; Top Overlay, Top Silk "44" at 109.593,61.366 h1.5 r90; Top Overlay, Top Silk "67" at 83.177,61.366 h1.5 r90; Top Overlay, Top Silk "1" at 88.13,40.538 h1.5 r90; Top Overlay, Top Silk "45" at 104.513,66.573 h1.5 r90; Top Overlay, Top Silk "66" at 88.384,66.446 h1.5 r90; Top Overlay, Top Silk "22" at 104.513,39.522 h1.5 r90; Mechanical 25 "22" at 104.259,39.649 h2 r90; Mechanical 25 "66" at 88.13,66.573 h2 r90; Mechanical 25 "45" at 104.259,66.7 h2 r90; Mechanical 25 "1" at 87.876,40.665 h2 r90; Mechanical 25 "67" at 82.923,61.493 h2 r90; Mechanical 25 "44" at 109.339,61.493 h2 r90; Mechanical 25 "88" at 82.923,44.475 h2 r90; Mechanical 25 "23" at 109.593,44.348 h2 r90
D9: Top Overlay, Top Silk "2" at 99.9,159.5 h1 r270; Top Overlay, Top Silk "7" at 92.45,159.675 h1 r270; Top Overlay, Top Silk "15" at 99.85,146.65 h1 r270; Top Overlay, Top Silk "10" at 92.45,146.55 h1 r270; Mechanical 25 "15" at 98.525,148.8 h2 r270; Mechanical 25 "2" at 98.575,157.625 h2 r270; Mechanical 25 "7" at 93.675,157.675 h2 r270; Mechanical 25 "10" at 93.625,148.7 h2 r270
D10: Top Overlay, Top Silk "6" at 77.025,96.45 h2 r270; Top Overlay, Top Silk "7" at 74.775,92.7 h2 r270; Top Overlay, Top Silk "15" at 74.875,81.7 h2 r270; Top Overlay, Top Silk "16" at 77.075,78.25 h2 r270; Top Overlay, Top Silk "27" at 91.375,78.525 h2 r270; Top Overlay, Top Silk "28" at 93.575,81.725 h2 r270; Top Overlay, Top Silk "36" at 93.525,93.6 h2 r270; Top Overlay, Top Silk "37" at 91.275,96.7 h2 r270; Top Overlay, Top Silk "1" at 83.6,98.625 h2 r270; Mechanical 25 "1" at 83.925,94.25 h2 r270; Mechanical 25 "37" at 89.75,94.25 h2 r270; Mechanical 25 "36" at 91.35,91.2 h2 r270; Mechanical 25 "27" at 89.775,80.5 h2 r270; Mechanical 25 "16" at 78.95,80.55 h2 r270; Mechanical 25 "15" at 77.55,83.275 h2 r270; Mechanical 25 "7" at 77.375,90.6 h2 r270; Mechanical 25 "6" at 78.725,94.15 h2 r270; Mechanical 25 "28" at 91.55,83.45 h2 r270
D11: Top Overlay, Top Silk "2" at 86.9,126.5 h1 r270; Top Overlay, Top Silk "7" at 79.45,126.675 h1 r270; Top Overlay, Top Silk "15" at 86.85,113.65 h1 r270; Top Overlay, Top Silk "10" at 79.45,113.55 h1 r270; Mechanical 25 "15" at 85.525,115.8 h2 r270; Mechanical 25 "2" at 85.575,124.625 h2 r270; Mechanical 25 "7" at 80.675,124.675 h2 r270; Mechanical 25 "10" at 80.625,115.7 h2 r270
D12: Top Overlay, Top Silk "2" at 63.75,6.6 h1 r180; Top Overlay, Top Silk "7" at 63.925,14.05 h1 r180; Top Overlay, Top Silk "15" at 50.9,6.65 h1 r180; Top Overlay, Top Silk "10" at 50.8,14.05 h1 r180; Mechanical 25 "15" at 53.05,7.975 h2 r180; Mechanical 25 "2" at 61.875,7.925 h2 r180; Mechanical 25 "7" at 61.925,12.825 h2 r180; Mechanical 25 "10" at 52.95,12.875 h2 r180
D13: Mechanical 25 "1" at 114.095,3.849 h2; Mechanical 25 "5" at 137.963,3.849 h2; Mechanical 25 "8" at 114.463,24.149 h2; Mechanical 25 "6" at 137.763,24.049 h2
D14: Bottom Overlay, Bot Silk "20" at 92,94.625 h1.5 r270; Bottom Overlay, Bot Silk "11" at 77.375,95 h1.5 r270; Bottom Overlay, Bot Silk "10" at 77.5,75.625 h1.5 r270; Bottom Overlay, Bot Silk "1" at 92.25,76.5 h1.5 r270; Mechanical 26 "20" at 90.475,92.45 h2 r270; Mechanical 26 "11" at 79.175,92.7 h2 r270; Mechanical 26 "10" at 79.25,78.375 h2 r270; Mechanical 26 "1" at 90.45,78.575 h2 r270
D15: Mechanical 25 "7" at 94.572,13.284 h2 r90; Mechanical 25 "5" at 93.997,31.122 h2 r90; Mechanical 25 "4" at 105.569,30.898 h2 r90; Mechanical 25 "1" at 105.537,13.252 h2 r90
D16: Top Overlay, Top Silk "2" at 36.25,86.15 h1; Top Overlay, Top Silk "7" at 36.075,78.7 h1; Top Overlay, Top Silk "15" at 49.1,86.1 h1; Top Overlay, Top Silk "10" at 49.2,78.7 h1; Mechanical 25 "15" at 46.95,84.775 h2; Mechanical 25 "2" at 38.125,84.825 h2; Mechanical 25 "7" at 38.075,79.925 h2; Mechanical 25 "10" at 47.05,79.875 h2
D17: Mechanical 26 "1" at 45.275,86.6 h2; Mechanical 26 "7" at 45.625,79.225 h2; Mechanical 26 "8" at 37.1,79.175 h2; Mechanical 26 "14" at 37.925,86.675 h2
D18: Mechanical 25 "14" at 20.985,85.107 h2 r270; Mechanical 25 "1" at 21.112,88.917 h2 r270; Mechanical 25 "8" at 6.126,84.345 h2 r270; Mechanical 25 "7" at 5.999,88.536 h2 r270
D19: Mechanical 25 "6" at 14,116.375 h2 r90; Mechanical 25 "4" at 21.6,116.275 h2 r90; Mechanical 25 "3" at 21.625,101.65 h2 r90; Mechanical 25 "1" at 13.975,101.65 h2 r90
D20: Mechanical 26 "6" at 19.25,116.375 h2 r270; Mechanical 26 "4" at 11.65,116.275 h2 r270; Mechanical 26 "3" at 11.625,101.65 h2 r270; Mechanical 26 "1" at 19.275,101.65 h2 r270
D21: Mechanical 25 "1" at 30.475,102.35 h2; Mechanical 25 "7" at 30.125,94.975 h2; Mechanical 25 "8" at 38.65,94.925 h2; Mechanical 25 "14" at 37.825,102.425 h2
D22: Mechanical 25 "6" at 49.5,116.125 h2 r90; Mechanical 25 "4" at 57.1,116.025 h2 r90; Mechanical 25 "3" at 57.125,101.4 h2 r90; Mechanical 25 "1" at 49.475,101.4 h2 r90
D23: Mechanical 26 "6" at 58.75,116.125 h2 r270; Mechanical 26 "4" at 51.15,116.025 h2 r270; Mechanical 26 "3" at 51.125,101.4 h2 r270; Mechanical 26 "1" at 58.775,101.4 h2 r270
D24: Mechanical 25 "6" at 10.25,59.875 h2 r90; Mechanical 25 "4" at 17.85,59.775 h2 r90; Mechanical 25 "3" at 17.875,45.15 h2 r90; Mechanical 25 "1" at 10.225,45.15 h2 r90
D25: Mechanical 26 "6" at 17.75,60.125 h2 r270; Mechanical 26 "4" at 10.15,60.025 h2 r270; Mechanical 26 "3" at 10.125,45.4 h2 r270; Mechanical 26 "1" at 17.775,45.4 h2 r270
D26: Mechanical 25 "1" at 29.475,40.35 h2; Mechanical 25 "7" at 29.125,32.975 h2; Mechanical 25 "8" at 37.65,32.925 h2; Mechanical 25 "14" at 36.825,40.425 h2
D27: Mechanical 25 "6" at 50.25,60.125 h2 r90; Mechanical 25 "4" at 57.85,60.025 h2 r90; Mechanical 25 "3" at 57.875,45.4 h2 r90; Mechanical 25 "1" at 50.225,45.4 h2 r90
D28: Mechanical 26 "6" at 56,60.125 h2 r270; Mechanical 26 "4" at 48.4,60.025 h2 r270; Mechanical 26 "3" at 48.375,45.4 h2 r270; Mechanical 26 "1" at 56.025,45.4 h2 r270
D29: Mechanical 25 "1" at 164.225,98.175 h2 r90; Mechanical 25 "7" at 172.025,98.075 h2 r90; Mechanical 25 "8" at 171.95,106.525 h2 r90; Mechanical 25 "14" at 164.4,105.875 h2 r90
D30: Mechanical 25 "1" at 185.975,99.425 h2 r90; Mechanical 25 "7" at 193.775,99.325 h2 r90; Mechanical 25 "8" at 193.7,107.775 h2 r90; Mechanical 25 "14" at 186.15,107.125 h2 r90
D34: Mechanical 25 "1" at 132.275,87.15 h2 r180; Mechanical 25 "7" at 132.625,94.525 h2 r180; Mechanical 25 "8" at 124.1,94.575 h2 r180; Mechanical 25 "14" at 124.925,87.075 h2 r180
D35: Mechanical 26 "9" at 123,120.15 h2 r180; Mechanical 26 "8" at 114.4,120.15 h2 r180; Mechanical 26 "16" at 122.556,111.313 h2 r180; Mechanical 26 "1" at 114.428,111.313 h2 r180
D36: Mechanical 26 "1" at 123.325,105.775 h2; Mechanical 26 "7" at 123.425,97.975 h2; Mechanical 26 "8" at 114.975,98.05 h2; Mechanical 26 "14" at 115.625,105.6 h2
D37: Mechanical 25 "9" at 148.25,98.6 h2; Mechanical 25 "8" at 139.65,98.6 h2; Mechanical 25 "16" at 147.806,107.437 h2; Mechanical 25 "1" at 139.678,107.437 h2
D38: Mechanical 25 "1" at 140.175,119.025 h2; Mechanical 25 "7" at 140.075,111.225 h2; Mechanical 25 "8" at 148.525,111.3 h2; Mechanical 25 "14" at 147.875,118.85 h2
G1: Bottom Overlay, Bot Silk "1" at 148.925,61.175 h1; Mechanical 26 "3" at 156.584,52.847 h1.2 r270; Mechanical 26 "2" at 156.457,62.118 h1.2 r270; Mechanical 26 "4" at 150.488,52.847 h1.2 r270; Mechanical 26 "1" at 149.98,62.118 h1.2 r270
N2: Top Overlay, Top Silk "2" at 72.5,133 h1.31; Top Overlay, Top Silk "25" at 124,136.75 h1.31; Top Overlay, Top Silk "1" at 72,137 h1.31; Top Overlay, Top Silk "26" at 124.75,133.25 h1.31; Mechanical 25 "26" at 107.375,125.125 h2; Mechanical 25 "1" at 72.375,129.125 h2; Mechanical 25 "25" at 106.75,128.625 h2; Mechanical 25 "2" at 73.625,124.875 h2
N3: Top Overlay, Top Silk "44" at 187.525,133.025 h1.31; Top Overlay, Top Silk "1" at 130.15,136.15 h1.31; Top Overlay, Top Silk "43" at 186.275,136.525 h1.31; Top Overlay, Top Silk "2" at 130.188,131.677 h1.31; Mechanical 25 "44" at 187.525,132.525 h2; Mechanical 25 "43" at 186.775,136.025 h2; Mechanical 25 "2" at 130.488,131.677 h2; Mechanical 25 "1" at 130.15,135.4 h2
R61*: Mechanical 25 "1" at 124.53,192.702 h2 r90; Mechanical 25 "2" at 124.68,207.777 h2 r90
T1: Mechanical 25 "1" at 114.25,119 h2; Mechanical 25 "32" at 128.65,119 h2; Mechanical 25 "17" at 128.85,98.8 h2; Mechanical 25 "16" at 114.15,99.1 h2
T2: Mechanical 26 "1" at 149.25,118.5 h2; Mechanical 26 "32" at 134.85,118.5 h2; Mechanical 26 "17" at 134.65,98.3 h2; Mechanical 26 "16" at 149.35,98.6 h2
VD2: Top Overlay, Top Silk "A" at 75.498,193.007 h1.2 r90; Mechanical 25 "C" at 76.579,206.927 h2 r90; Mechanical 25 "A" at 76.379,192.752 h2 r90
VD3: Top Overlay, Top Silk "A" at 5.381,110.37 h1.2 r270; Mechanical 25 "C" at 4.3,96.45 h2 r270; Mechanical 25 "A" at 4.5,110.625 h2 r270
VD4: Mechanical 25 "+" at 34.375,125.975 h2 r270
VD5: Top Overlay, Top Silk "A" at 40.119,110.38 h1.2 r90; Mechanical 25 "C" at 41.2,124.3 h2 r90; Mechanical 25 "A" at 41,110.125 h2 r90
VD6: Mechanical 26 "+" at 34.375,114.275 h2 r270
VD7: Bottom Overlay, Bot Silk "A" at 39.381,111.63 h1.2 r270; Mechanical 26 "C" at 38.3,125.55 h2 r270; Mechanical 26 "A" at 38.5,111.375 h2 r270
VD8: Mechanical 25 "+" at 38.125,65.225 h2 r270
VD9: Top Overlay, Top Silk "A" at 28.369,48.88 h1.2 r90; Mechanical 25 "C" at 29.45,62.8 h2 r90; Mechanical 25 "A" at 29.25,48.625 h2 r90
VD10: Mechanical 26 "+" at 34.875,63.975 h2 r90
VD11: Bottom Overlay, Bot Silk "A" at 28.381,48.88 h1.2 r270; Mechanical 26 "C" at 27.3,62.8 h2 r270; Mechanical 26 "A" at 27.5,48.625 h2 r270
VD12: Top Overlay, Top Silk "1" at 170.2,123.85 h1.5; Top Overlay, Top Silk "2" at 168.2,123.85 h1.5; Top Overlay, Top Silk "3" at 169.246,117.186 h1.5; Mechanical 25 "3" at 169.119,118.075 h2; Mechanical 25 "2" at 168.175,123.4 h2; Mechanical 25 "1" at 170.2,123.4 h2
VD13: Top Overlay, Top Silk "1" at 165.45,122.85 h1.5; Top Overlay, Top Silk "2" at 163.45,122.85 h1.5; Top Overlay, Top Silk "3" at 164.496,116.186 h1.5; Mechanical 25 "3" at 164.369,117.075 h2; Mechanical 25 "2" at 163.425,122.4 h2; Mechanical 25 "1" at 165.45,122.4 h2
VD14: Top Overlay, Top Silk "1" at 193.45,123.35 h1.5; Top Overlay, Top Silk "2" at 191.45,123.35 h1.5; Top Overlay, Top Silk "3" at 192.496,116.686 h1.5; Mechanical 25 "3" at 192.369,117.575 h2; Mechanical 25 "2" at 191.425,122.9 h2; Mechanical 25 "1" at 193.45,122.9 h2
VD15: Top Overlay, Top Silk "1" at 186.95,123.85 h1.5; Top Overlay, Top Silk "2" at 184.95,123.85 h1.5; Top Overlay, Top Silk "3" at 185.996,117.186 h1.5; Mechanical 25 "3" at 185.869,118.075 h2; Mechanical 25 "2" at 184.925,123.4 h2; Mechanical 25 "1" at 186.95,123.4 h2
VT1: Bottom Overlay, Bot Silk "E" at 181.15,40.225 h1; Bottom Overlay, Bot Silk "B" at 181.175,43.175 h1; Bottom Overlay, Bot Silk "C" at 181.325,41.7 h1; Mechanical 26 "C" at 181.5,41.7 h2; Mechanical 26 "B" at 181.4,43.2 h2; Mechanical 26 "E" at 181.325,40.225 h2
VT2: Bottom Overlay, Bot Silk "E" at 181.15,34.475 h1; Bottom Overlay, Bot Silk "B" at 181.175,37.425 h1; Bottom Overlay, Bot Silk "C" at 181.325,35.95 h1; Mechanical 26 "C" at 181.5,35.95 h2; Mechanical 26 "B" at 181.4,37.45 h2; Mechanical 26 "E" at 181.325,34.475 h2
VT3: Top Overlay, Top Silk "E" at 182.225,77.225 h1; Top Overlay, Top Silk "B" at 182.325,74.325 h1; Top Overlay, Top Silk "C" at 182.225,75.725 h1; Mechanical 25 "C" at 181.875,75.525 h2; Mechanical 25 "B" at 181.775,74.025 h2; Mechanical 25 "E" at 181.7,77 h2
VT4: Top Overlay, Top Silk "E" at 182.125,71.625 h1; Top Overlay, Top Silk "B" at 182.225,68.525 h1; Top Overlay, Top Silk "C" at 182.125,70.125 h1; Mechanical 25 "C" at 181.875,69.775 h2; Mechanical 25 "B" at 181.775,68.275 h2; Mechanical 25 "E" at 181.7,71.25 h2
VT5: Bottom Overlay, Bot Silk "E" at 181.025,6.1 h1; Bottom Overlay, Bot Silk "B" at 181.05,9.05 h1; Bottom Overlay, Bot Silk "C" at 181.2,7.575 h1; Mechanical 26 "C" at 181.5,7.575 h2; Mechanical 26 "B" at 181.4,9.075 h2; Mechanical 26 "E" at 181.325,6.1 h2
VT6: Top Overlay, Top Silk "E" at 181.825,59.925 h1; Top Overlay, Top Silk "B" at 181.725,56.625 h1; Top Overlay, Top Silk "C" at 181.725,58.225 h1; Mechanical 25 "C" at 181.75,58.15 h2; Mechanical 25 "B" at 181.65,56.65 h2; Mechanical 25 "E" at 181.575,59.625 h2
VT7: Top Overlay, Top Silk "E" at 182.125,65.725 h1; Top Overlay, Top Silk "B" at 182.025,62.625 h1; Top Overlay, Top Silk "C" at 181.925,64.125 h1; Mechanical 25 "C" at 181.875,63.9 h2; Mechanical 25 "B" at 181.775,62.4 h2; Mechanical 25 "E" at 181.7,65.375 h2
VT8: Bottom Overlay, Bot Silk "E" at 92.2,11.975 h1 r90; Bottom Overlay, Bot Silk "B" at 89.25,12 h1 r90; Bottom Overlay, Bot Silk "C" at 90.725,12.15 h1 r90; Mechanical 26 "C" at 90.8,12.525 h2 r90; Mechanical 26 "B" at 89.3,12.425 h2 r90; Mechanical 26 "E" at 92.275,12.35 h2 r90
VT9: Bottom Overlay, Bot Silk "E" at 119.5,18.825 h1; Bottom Overlay, Bot Silk "B" at 119.525,21.775 h1; Bottom Overlay, Bot Silk "C" at 119.675,20.3 h1; Mechanical 26 "C" at 119.6,20.3 h2; Mechanical 26 "B" at 119.5,21.8 h2; Mechanical 26 "E" at 119.425,18.825 h2
XP1: Mechanical 25 "2" at 179.75,46.2 h2; Mechanical 25 "1" at 174.45,46.05 h2; Mechanical 25 "8" at 180,52.525 h2; Mechanical 25 "7" at 174.2,52.45 h2
XP2: Mechanical 26 "7" at 174.3,49.325 h2 r180; Mechanical 26 "8" at 180.1,49.25 h2 r180; Mechanical 26 "1" at 174.55,55.725 h2 r180; Mechanical 26 "2" at 179.85,55.575 h2 r180
XP3: Mechanical 25 "3" at 180,24.65 h2 r90; Mechanical 25 "1" at 180.189,16.732 h2 r90
XP4: Mechanical 25 "1" at 180.189,25.482 h2 r90; Mechanical 25 "3" at 180,33.4 h2 r90
XP5: Mechanical 25 "2" at 169.32,58.11 h2 r90; Mechanical 25 "1" at 171.82,58.36 h2 r90; Mechanical 25 "6" at 169.245,65.91 h2 r90; Mechanical 25 "5" at 171.77,65.86 h2 r90
XP6: Mechanical 25 "2" at 211.8,65 h2 r270; Mechanical 25 "1" at 209.1,64.6 h2 r270; Mechanical 25 "9" at 209.33,51.83 h2 r270; Mechanical 25 "10" at 211.905,51.93 h2 r270
XP7: Mechanical 25 "2" at 170.05,49.45 h2 r90; Mechanical 25 "1" at 170.139,43.702 h2 r90
XP8: Mechanical 25 "2" at 18.08,7.595 h2; Mechanical 25 "1" at 18.18,4.895 h2; Mechanical 25 "13" at 35.98,5 h2; Mechanical 25 "14" at 35.98,7.5 h2
XP9: Mechanical 25 "2" at 108.8,95.75 h2 r270; Mechanical 25 "1" at 106.1,95.35 h2 r270; Mechanical 25 "9" at 106.33,82.58 h2 r270; Mechanical 25 "10" at 108.905,82.68 h2 r270
XT1: Top Overlay, Top Silk "C30" at 191.275,78.775 h2 r90; Top Overlay, Top Silk "A30" at 186.775,78.773 h2 r90; Top Overlay, Top Silk "B30" at 189.025,78.775 h2 r90; Top Overlay, Top Silk "D30" at 193.525,78.775 h2 r90; Top Overlay, Top Silk "C1" at 191.325,15.425 h2 r90; Top Overlay, Top Silk "A1" at 187.025,15.423 h2 r90; Top Overlay, Top Silk "B1" at 189.225,15.425 h2 r90; Top Overlay, Top Silk "D1" at 193.425,15.425 h2 r90; Mechanical 25 "D1" at 193.275,16.025 h2 r90; Mechanical 25 "B1" at 189.275,16.118 h2 r90; Mechanical 25 "A1" at 187.025,15.983 h2 r90; Mechanical 25 "C1" at 191.275,15.975 h2 r90; Mechanical 25 "D30" at 193.525,78.775 h2 r90; Mechanical 25 "B30" at 189.025,78.775 h2 r90; Mechanical 25 "A30" at 186.775,78.773 h2 r90; Mechanical 25 "C30" at 191.275,78.775 h2 r90